# Altium PCB Jetson AGX Xavier Carrier Board.PcbDoc (part 1 of 4) (continued)
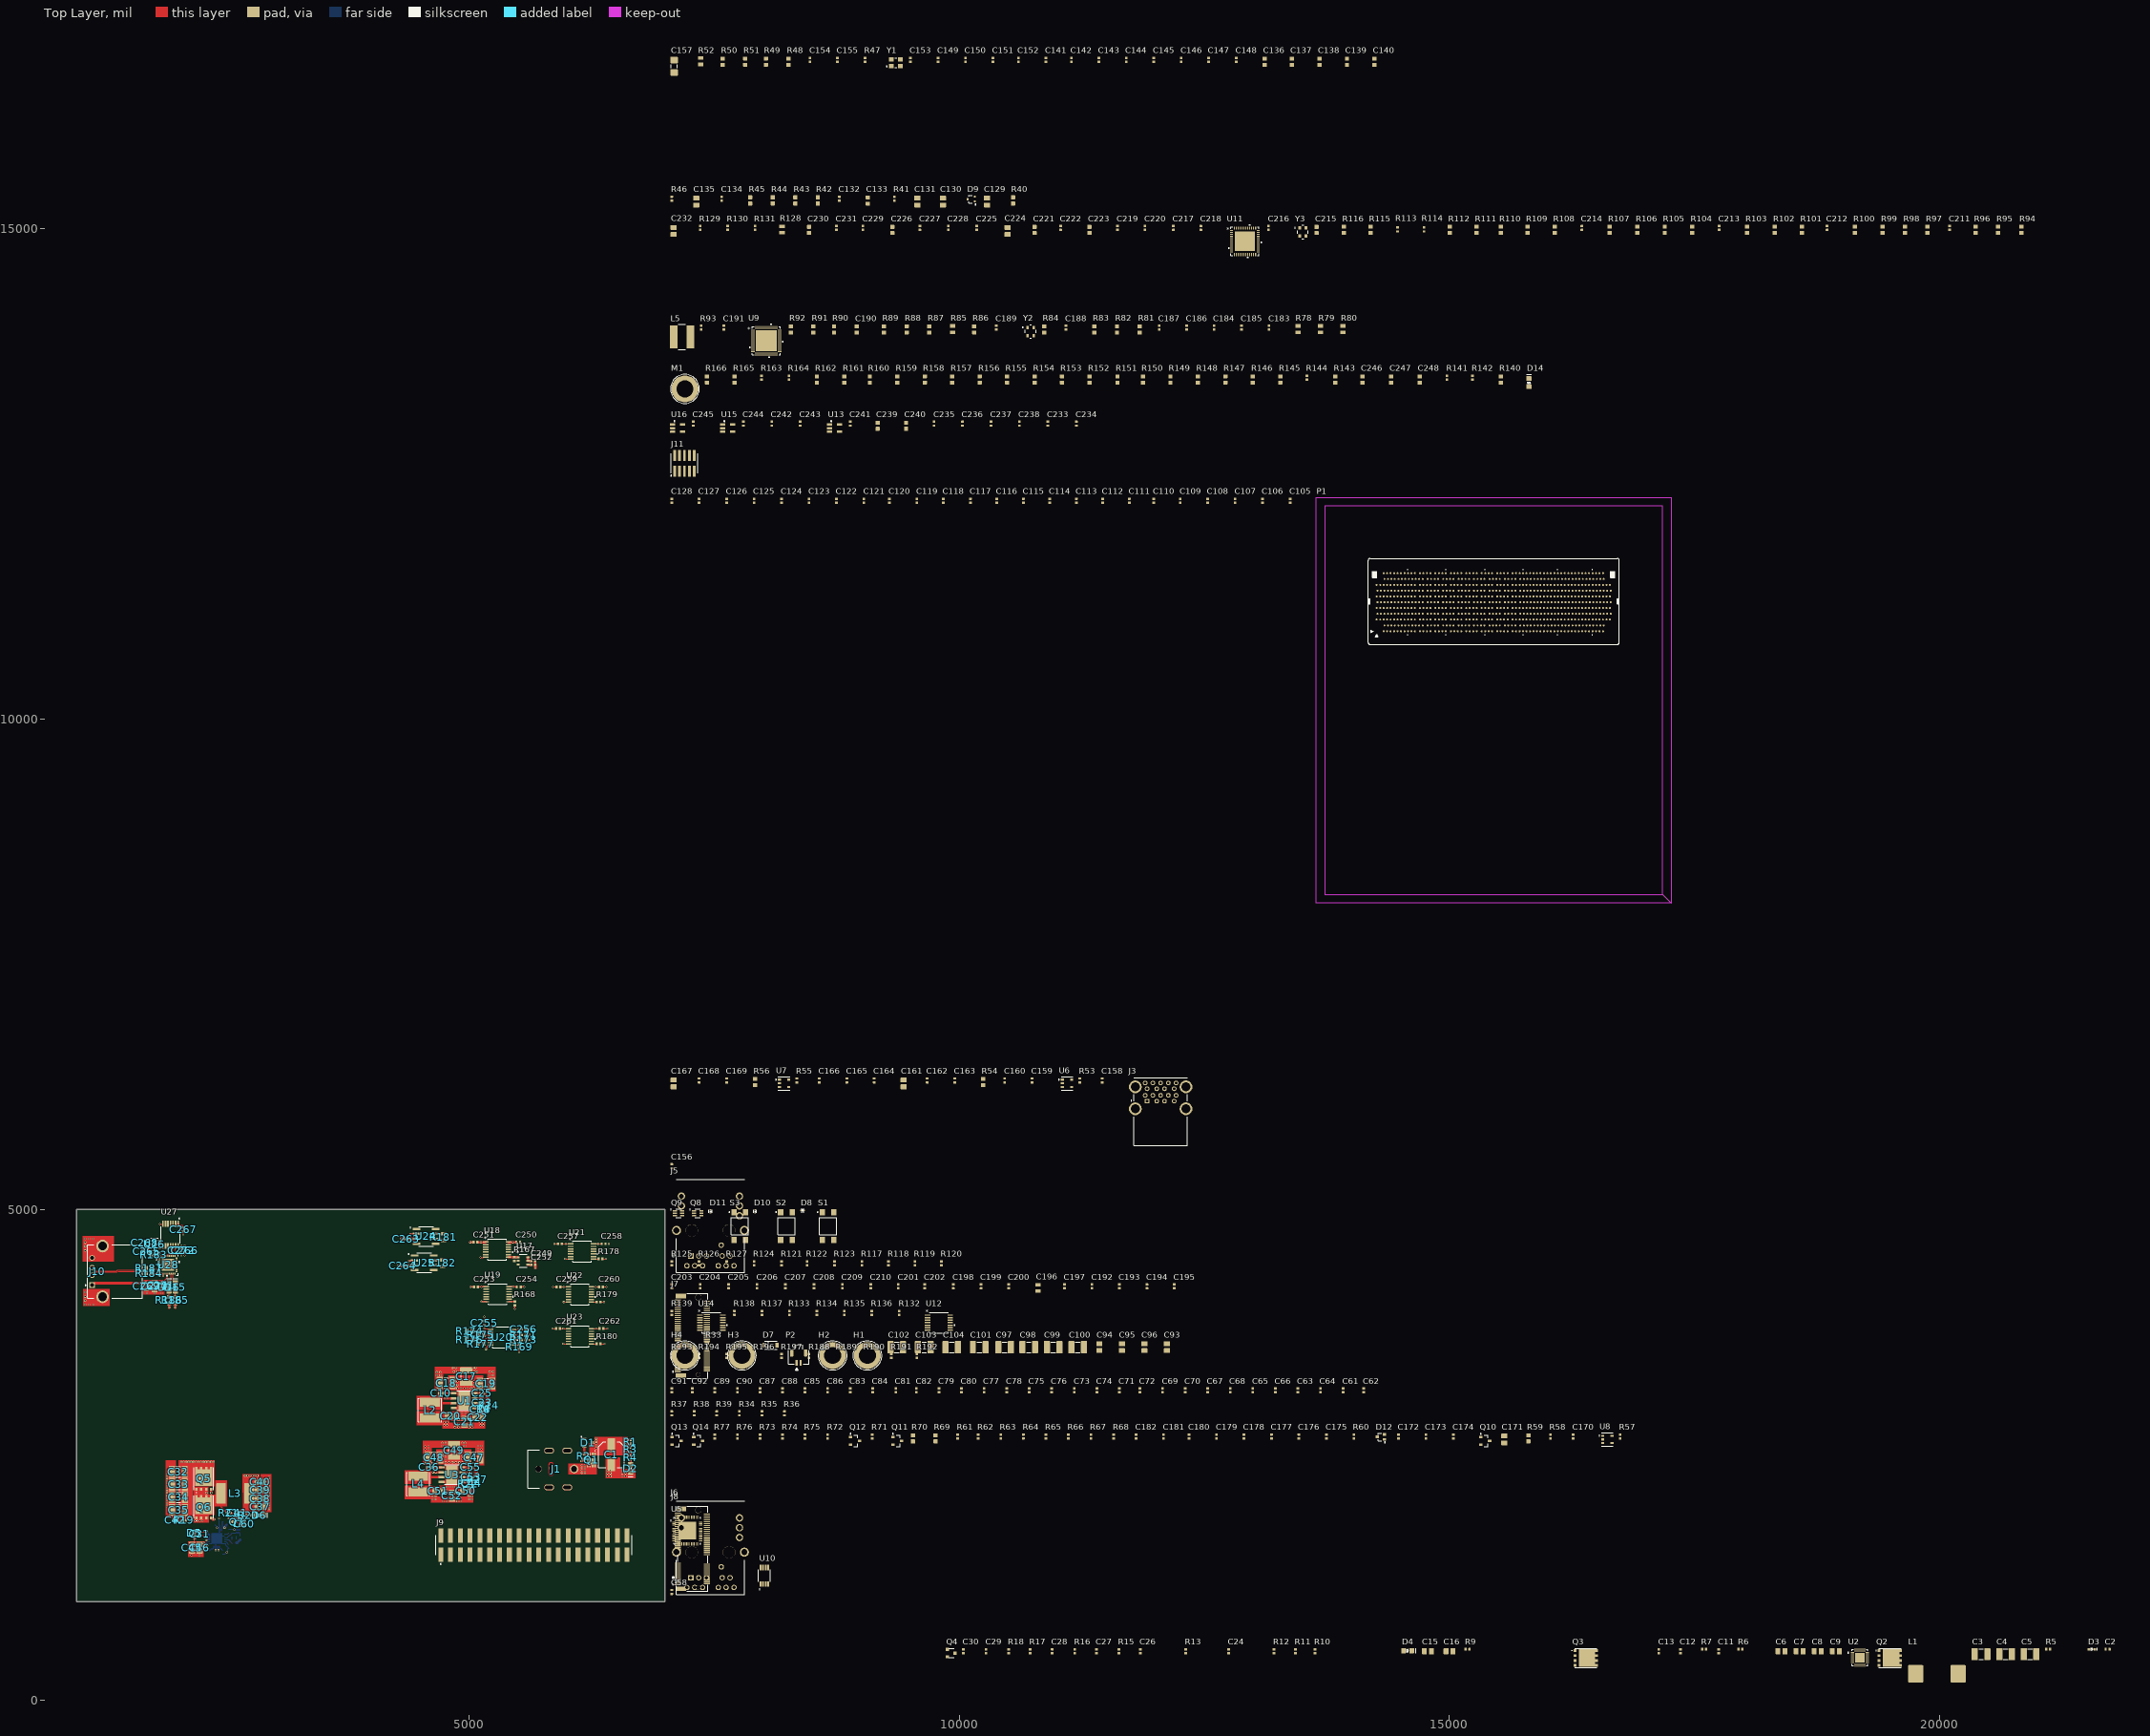
[diagram p0: Top Layer view]
## Classes and differential pairs (continued)
differential pair NV_PCIE_CTRL4.CLK: +NV_PCIE_CTRL4.CLK_P -NV_PCIE_CTRL4.CLK_N
differential pair NV_PCIE_CTRL3.CLK: +NV_PCIE_CTRL3.CLK_P -NV_PCIE_CTRL3.CLK_N
differential pair NV_PCIE_CTRL2.CLK: +NV_PCIE_CTRL2.CLK_P -NV_PCIE_CTRL2.CLK_N
differential pair NV_PCIE_CTRL1.CLK: +NV_PCIE_CTRL1.CLK_P -NV_PCIE_CTRL1.CLK_N
differential pair NV_PCIE_CTRL0.CLK: +NV_PCIE_CTRL0.CLK_P -NV_PCIE_CTRL0.CLK_N
differential pair NV_HDMI_TMDSCLK: +NV_HDMI_TMDSCLK_P -NV_HDMI_TMDSCLK_N
differential pair NV_HDMI_TMDS2: +NV_HDMI_TMDS2_P -NV_HDMI_TMDS2_N
differential pair NV_HDMI_TMDS1: +NV_HDMI_TMDS1_P -NV_HDMI_TMDS1_N
differential pair NV_HDMI_TMDS0: +NV_HDMI_TMDS0_P -NV_HDMI_TMDS0_N
differential pair NV_DP2.TX3: +NV_DP2.TX3_P -NV_DP2.TX3_N
differential pair NV_DP2.TX2: +NV_DP2.TX2_P -NV_DP2.TX2_N
differential pair NV_DP2.TX1: +NV_DP2.TX1_P -NV_DP2.TX1_N
differential pair NV_DP2.TX0: +NV_DP2.TX0_P -NV_DP2.TX0_N
differential pair NV_DP2.AUX: +NV_DP2.AUX_P -NV_DP2.AUX_N
differential pair NV_DP1.TX3: +NV_DP1.TX3_P -NV_DP1.TX3_N
differential pair NV_DP1.TX2: +NV_DP1.TX2_P -NV_DP1.TX2_N
differential pair NV_DP1.TX1: +NV_DP1.TX1_P -NV_DP1.TX1_N
differential pair NV_DP1.TX0: +NV_DP1.TX0_P -NV_DP1.TX0_N
differential pair NV_DP1.AUX: +NV_DP1.AUX_P -NV_DP1.AUX_N
differential pair NV_DP0.TX3: +NV_DP0.TX3_P -NV_DP0.TX3_N
differential pair NV_DP0.TX2: +NV_DP0.TX2_P -NV_DP0.TX2_N
differential pair NV_DP0.TX1: +NV_DP0.TX1_P -NV_DP0.TX1_N
differential pair NV_DP0.TX0: +NV_DP0.TX0_P -NV_DP0.TX0_N
differential pair NV_DP0.AUX: +NV_DP0.AUX_P -NV_DP0.AUX_N
differential pair NV_CSI7.DATA1: +NV_CSI7.DATA1_P -NV_CSI7.DATA1_N
differential pair NV_CSI7.DATA0: +NV_CSI7.DATA0_P -NV_CSI7.DATA0_N
differential pair NV_CSI7.CLK: +NV_CSI7.CLK_P -NV_CSI7.CLK_N
differential pair NV_CSI6.DATA1: +NV_CSI6.DATA1_P -NV_CSI6.DATA1_N
differential pair NV_CSI6.DATA0: +NV_CSI6.DATA0_P -NV_CSI6.DATA0_N
differential pair NV_CSI6.CLK: +NV_CSI6.CLK_P -NV_CSI6.CLK_N
differential pair NV_CSI5.DATA1: +NV_CSI5.DATA1_P -NV_CSI5.DATA1_N
differential pair NV_CSI5.DATA0: +NV_CSI5.DATA0_P -NV_CSI5.DATA0_N
differential pair NV_CSI5.CLK: +NV_CSI5.CLK_P -NV_CSI5.CLK_N
differential pair NV_CSI4.DATA1: +NV_CSI4.DATA1_P -NV_CSI4.DATA1_N
differential pair NV_CSI4.DATA0: +NV_CSI4.DATA0_P -NV_CSI4.DATA0_N
differential pair NV_CSI4.CLK: +NV_CSI4.CLK_P -NV_CSI4.CLK_N
differential pair NV_CSI3.DATA1: +NV_CSI3.DATA1_P -NV_CSI3.DATA1_N
differential pair NV_CSI3.DATA0: +NV_CSI3.DATA0_P -NV_CSI3.DATA0_N
differential pair NV_CSI3.CLK: +NV_CSI3.CLK_P -NV_CSI3.CLK_N
differential pair NV_CSI2.DATA1: +NV_CSI2.DATA1_P -NV_CSI2.DATA1_N
differential pair NV_CSI2.DATA0: +NV_CSI2.DATA0_P -NV_CSI2.DATA0_N
differential pair NV_CSI2.CLK: +NV_CSI2.CLK_P -NV_CSI2.CLK_N
differential pair NV_CSI1.DATA1: +NV_CSI1.DATA1_P -NV_CSI1.DATA1_N
differential pair NV_CSI1.DATA0: +NV_CSI1.DATA0_P -NV_CSI1.DATA0_N
differential pair NV_CSI1.CLK: +NV_CSI1.CLK_P -NV_CSI1.CLK_N
differential pair NV_CSI0.DATA1: +NV_CSI0.DATA1_P -NV_CSI0.DATA1_N
differential pair NV_CSI0.DATA0: +NV_CSI0.DATA0_P -NV_CSI0.DATA0_N
differential pair NV_CSI0.CLK: +NV_CSI0.CLK_P -NV_CSI0.CLK_N
differential pair NV1HS_CLK1.REFCLK: +NV1HS_CLK1.REFCLK_P -NV1HS_CLK1.REFCLK_N
differential pair NV1HS_CLK0.REFCLK: +NV1HS_CLK0.REFCLK_P -NV1HS_CLK0.REFCLK_N
differential pair NV1HS7_TX: +NV1HS7_TX_P -NV1HS7_TX_N
differential pair NV1HS7.TX: +NV1HS7.TX_P -NV1HS7.TX_N
differential pair NV1HS7.RX: +NV1HS7.RX_P -NV1HS7.RX_N
differential pair NV1HS6_TX: +NV1HS6_TX_P -NV1HS6_TX_N
differential pair NV1HS6.TX: +NV1HS6.TX_P -NV1HS6.TX_N
differential pair NV1HS6.RX: +NV1HS6.RX_P -NV1HS6.RX_N
differential pair NV1HS5_TX: +NV1HS5_TX_P -NV1HS5_TX_N
differential pair NV1HS5.TX: +NV1HS5.TX_P -NV1HS5.TX_N
differential pair NV1HS5.RX: +NV1HS5.RX_P -NV1HS5.RX_N
differential pair NV1HS4_TX: +NV1HS4_TX_P -NV1HS4_TX_N
differential pair NV1HS4.TX: +NV1HS4.TX_P -NV1HS4.TX_N
differential pair NV1HS4.RX: +NV1HS4.RX_P -NV1HS4.RX_N
differential pair NV1HS3_TX: +NV1HS3_TX_P -NV1HS3_TX_N
differential pair NV1HS3.TX: +NV1HS3.TX_P -NV1HS3.TX_N
differential pair NV1HS3.RX: +NV1HS3.RX_P -NV1HS3.RX_N
differential pair NV1HS2_TX: +NV1HS2_TX_P -NV1HS2_TX_N
differential pair NV1HS2.TX: +NV1HS2.TX_P -NV1HS2.TX_N
differential pair NV1HS2.RX: +NV1HS2.RX_P -NV1HS2.RX_N
differential pair NV1HS1_TX: +NV1HS1_TX_P -NV1HS1_TX_N
differential pair NV1HS1.TX: +NV1HS1.TX_P -NV1HS1.TX_N
differential pair NV1HS1.RX: +NV1HS1.RX_P -NV1HS1.RX_N
differential pair NV1HS0_TX: +NV1HS0_TX_P -NV1HS0_TX_N
differential pair NV1HS0.TX: +NV1HS0.TX_P -NV1HS0.TX_N
differential pair NV1HS0.RX: +NV1HS0.RX_P -NV1HS0.RX_N
differential pair NV0HS_CLK1.REFCLK: +NV0HS_CLK1.REFCLK_P -NV0HS_CLK1.REFCLK_N
differential pair NV0HS_CLK0.REFCLK: +NV0HS_CLK0.REFCLK_P -NV0HS_CLK0.REFCLK_N
differential pair NV0HS7_TX: +NV0HS7_TX_P -NV0HS7_TX_N
differential pair NV0HS7.TX: +NV0HS7.TX_P -NV0HS7.TX_N
differential pair NV0HS7.RX: +NV0HS7.RX_P -NV0HS7.RX_N
differential pair NV0HS6_TX: +NV0HS6_TX_P -NV0HS6_TX_N
differential pair NV0HS6.TX: +NV0HS6.TX_P -NV0HS6.TX_N
differential pair NV0HS6.RX: +NV0HS6.RX_P -NV0HS6.RX_N
differential pair NV0HS5_TX: +NV0HS5_TX_P -NV0HS5_TX_N
differential pair NV0HS5.TX: +NV0HS5.TX_P -NV0HS5.TX_N
differential pair NV0HS5.RX: +NV0HS5.RX_P -NV0HS5.RX_N
differential pair NV0HS4_TX: +NV0HS4_TX_P -NV0HS4_TX_N
differential pair NV0HS4.TX: +NV0HS4.TX_P -NV0HS4.TX_N
differential pair NV0HS4.RX: +NV0HS4.RX_P -NV0HS4.RX_N
differential pair NV0HS3_TX: +NV0HS3_TX_P -NV0HS3_TX_N
differential pair NV0HS3.TX: +NV0HS3.TX_P -NV0HS3.TX_N
differential pair NV0HS3.RX: +NV0HS3.RX_P -NV0HS3.RX_N
differential pair NV0HS2_TX: +NV0HS2_TX_P -NV0HS2_TX_N
differential pair NV0HS2.TX: +NV0HS2.TX_P -NV0HS2.TX_N
differential pair NV0HS2.RX: +NV0HS2.RX_P -NV0HS2.RX_N
differential pair NV0HS1_TX: +NV0HS1_TX_P -NV0HS1_TX_N
differential pair NV0HS1.TX: +NV0HS1.TX_P -NV0HS1.TX_N
differential pair NV0HS1.RX: +NV0HS1.RX_P -NV0HS1.RX_N
differential pair NV0HS0_TX: +NV0HS0_TX_P -NV0HS0_TX_N
differential pair NV0HS0.TX: +NV0HS0.TX_P -NV0HS0.TX_N
differential pair NV0HS0.RX: +NV0HS0.RX_P -NV0HS0.RX_N
differential pair CANB: +CANB_P -CANB_N
differential pair CANA: +CANA_P -CANA_N

## Components (designator, comment, footprint, x,y, rotation, side; value= is the part's Value field where it differs from the comment)
C1 "CAP_47uF_35V_ALUM" RADIAL_CORNELL_D 6455,2498.43 r180 top value=47µF
C2 "CAP_0.22uF_25V_X5R_0402" CAP0402 21710,515.51 r0 top
C3 "CAP_10uF_50V_1210" CAP1210 20420,465.51 r0 top value=10μF
C4 "CAP_10uF_50V_1210" CAP1210 20670,465.51 r0 top value=10μF
C5 "CAP_10uF_50V_1210" CAP1210 20920,465.51 r0 top value=10μF
C6 "CAP_10uF_16V_0805" CAP2012 18385,495.51 r0 top value=10μF
C7 "CAP_10uF_16V_0805" CAP2012 18570,495.51 r0 top value=10μF
C8 "CAP_10uF_16V_0805" CAP2012 18755,495.51 r0 top value=10μF
C9 "CAP_10uF_16V_0805" CAP2012 18940,495.51 r0 top value=10μF
C10 "CAP_0.1uF_16V_X7R_0402" CAP0402 4720.31,3125 r180 top
C11 "CAP_0.22uF_25V_X5R_0402" CAP0402 17745,495.51 r90 top
C12 "CAP_1uF_25V_0402" CAP0402 17355,495.51 r90 top
C13 "CAP_150pF_100V_NP0_0402" CAP0402 17135,495.51 r90 top
C14 "CAP_10pF_50V_0402" CAP0402 5120,2960 r270 top
C15 "CAP_10uF_16V_0805" CAP2012 14780,495.51 r0 top value=10μF
C16 "CAP_10uF_16V_0805" CAP2012 15000,495.51 r0 top value=10μF
C17 "CAP_10uF_50V_1210" CAP1210 4975,3295 r90 top value=10μF
C18 "CAP_10uF_50V_1210" CAP1210 4770,3230 r180 top value=10μF
C19 "CAP_10uF_50V_1210" CAP1210 5175,3225 r0 top value=10μF
C20 "CAP_22uF_16V_0805" CAP2012 4814.76,2895 r180 top value=22μF
C21 "CAP_22uF_16V_0805" CAP2012 4955,2835 r270 top value=22μF
C22 "CAP_22uF_16V_0805" CAP2012 5095,2880 r0 top value=22μF
C23 "CAP_1uF_25V_0402" CAP0402 5139.69,3026.97 r180 top
C24 "CAP_100pF_50V_0402" CAP0402 12750,495.51 r90 top
C25 "CAP_8.2nF_16V_0402" CAP0402 5135,3125 r180 top
C26 "CAP_0.027uF_10V_X7R_0402" CAP0402 11850,495.51 r90 top
C27 "CAP_1.2nF_50V_X7R_0402" CAP0402 11400,495.51 r90 top
C28 "CAP_0.1uF_16V_X7R_0402" CAP0402 10950,495.51 r90 top
C29 "CAP_150pF_100V_NP0_0402" CAP0402 10275,495.51 r90 top
C30 "CAP_1.2nF_50V_X7R_0402" CAP0402 10045,495.51 r90 top
C31 "CAP_0.22uF_25V_X5R_0402" CAP0402 2255,1690 r270 top
C32 "CAP_10uF_50V_1210" CAP1210 2040,2325 r0 top value=10μF
C33 "CAP_10uF_50V_1210" CAP1210 2041.02,2195 r0 top value=10μF
C34 "CAP_10uF_50V_1210" CAP1210 2041.02,2065 r0 top value=10μF
C35 "CAP_10uF_50V_1210" CAP1210 2041.02,1935 r0 top value=10μF
C36 "CAP_0.1uF_16V_X7R_0402" CAP0402 4595.31,2370 r180 top
C37 "CAP_10uF_16V_0805" CAP2012 2875,1967.44 r180 top value=10μF
C38 "CAP_10uF_16V_0805" CAP2012 2875,2052.44 r180 top value=10μF
C39 "CAP_10uF_16V_0805" CAP2012 2875,2137.44 r180 top value=10μF
C40 "CAP_10uF_16V_0805" CAP2012 2875,2222.44 r180 top value=10μF
C41 "CAP_0.22uF_25V_X5R_0402" CAP0402 2640.63,1905 r0 top
C42 "CAP_1uF_25V_0402" CAP0402 2010,1830 r0 top
C43 "CAP_180pF_50V_0402" CAP0402 2630,1620.32 r270 bottom
C44 "CAP_10pF_50V_0402" CAP0402 5030,2204.68 r270 top
C45 "CAP_10uF_16V_0805" CAP2012 2180,1549.76 r90 top value=10μF
C46 "CAP_10uF_16V_0805" CAP2012 2255,1549.76 r90 top value=10μF
C47 "CAP_10uF_50V_1210" CAP1210 5055,2470 r0 top value=10μF
C48 "CAP_10uF_50V_1210" CAP1210 4646.02,2470 r180 top value=10μF
C49 "CAP_10uF_50V_1210" CAP1210 4850,2541.02 r90 top value=10μF
C50 "CAP_22uF_16V_0805" CAP2012 4970,2130 r0 top value=22μF
C51 "CAP_22uF_16V_0805" CAP2012 4689.76,2130 r180 top value=22μF
C52 "CAP_22uF_16V_0805" CAP2012 4830,2080.24 r270 top value=22μF
C53 "CAP_1uF_25V_0402" CAP0402 5024.69,2270 r180 top
C54 "CAP_100pF_50V_0402" CAP0402 2475,1820 r180 bottom
C55 "CAP_8.2nF_16V_0402" CAP0402 5020,2370 r180 top
C56 "CAP_0.027uF_10V_X7R_0402" CAP0402 2555,1722 r270 bottom
C57 "CAP_1.2nF_50V_X7R_0402" CAP0402 2590,1615 r90 bottom
C58 "CAP_0.1uF_16V_X7R_0402" CAP0402 7070,1100 r90 top
C59 "CAP_120pF_50V_0402" CAP0402 2555,1650 r90 bottom
C60 "CAP_1.2nF_50V_X7R_0402" CAP0402 2715,1795 r270 top
C61 "CAP_0.1uF_16V_X7R_0402" CAP0402 13915,3155 r90 top
C62 "CAP_0.1uF_16V_X7R_0402" CAP0402 14125,3155 r90 top
C63 "CAP_0.1uF_16V_X7R_0402" CAP0402 13455,3155 r90 top
C64 "CAP_0.1uF_16V_X7R_0402" CAP0402 13685,3155 r90 top
C65 "CAP_0.1uF_16V_X7R_0402" CAP0402 12995,3155 r90 top
C66 "CAP_0.1uF_16V_X7R_0402" CAP0402 13225,3155 r90 top
C67 "CAP_0.1uF_16V_X7R_0402" CAP0402 12535,3155 r90 top
C68 "CAP_0.1uF_16V_X7R_0402" CAP0402 12765,3155 r90 top
C69 "CAP_0.1uF_16V_X7R_0402" CAP0402 12075,3155 r90 top
C70 "CAP_0.1uF_16V_X7R_0402" CAP0402 12305,3155 r90 top
C71 "CAP_0.1uF_16V_X7R_0402" CAP0402 11635,3155 r90 top
C72 "CAP_0.1uF_16V_X7R_0402" CAP0402 11845,3155 r90 top
C73 "CAP_0.1uF_16V_X7R_0402" CAP0402 11175,3155 r90 top
C74 "CAP_0.1uF_16V_X7R_0402" CAP0402 11405,3155 r90 top
C75 "CAP_0.1uF_16V_X7R_0402" CAP0402 10715,3155 r90 top
C76 "CAP_0.1uF_16V_X7R_0402" CAP0402 10945,3155 r90 top
C77 "CAP_0.1uF_16V_X7R_0402" CAP0402 10255,3155 r90 top
C78 "CAP_0.1uF_16V_X7R_0402" CAP0402 10485,3155 r90 top
C79 "CAP_0.1uF_16V_X7R_0402" CAP0402 9795,3155 r90 top
C80 "CAP_0.1uF_16V_X7R_0402" CAP0402 10025,3155 r90 top
C81 "CAP_0.1uF_16V_X7R_0402" CAP0402 9355,3155 r90 top
C82 "CAP_0.1uF_16V_X7R_0402" CAP0402 9565,3155 r90 top
C83 "CAP_0.1uF_16V_X7R_0402" CAP0402 8890,3155 r90 top
C84 "CAP_0.1uF_16V_X7R_0402" CAP0402 9120,3155 r90 top
C85 "CAP_0.1uF_16V_X7R_0402" CAP0402 8430,3155 r90 top
C86 "CAP_0.1uF_16V_X7R_0402" CAP0402 8660,3155 r90 top
C87 "CAP_0.1uF_16V_X7R_0402" CAP0402 7970,3155 r90 top
C88 "CAP_0.1uF_16V_X7R_0402" CAP0402 8200,3155 r90 top
C89 "CAP_0.1uF_16V_X7R_0402" CAP0402 7510,3155 r90 top
C90 "CAP_0.1uF_16V_X7R_0402" CAP0402 7740,3155 r90 top
C91 "CAP_0.1uF_16V_X7R_0402" CAP0402 7070,3155 r90 top
C92 "CAP_0.1uF_16V_X7R_0402" CAP0402 7280,3155 r90 top
C93 "CAP_10uF_16V_0805" CAP2012 12120,3595 r90 top value=10μF
C94 "CAP_10uF_16V_0805" CAP2012 11430,3595 r90 top value=10μF
C95 "CAP_10uF_16V_0805" CAP2012 11660,3595 r90 top value=10μF
C96 "CAP_10uF_16V_0805" CAP2012 11890,3595 r90 top value=10μF
C97 "CAP_10uF_50V_1210" CAP1210 10465,3595 r0 top value=10μF
C98 "CAP_10uF_50V_1210" CAP1210 10710,3595 r0 top value=10μF
C99 "CAP_10uF_50V_1210" CAP1210 10960,3595 r0 top value=10μF
C100 "CAP_10uF_50V_1210" CAP1210 11210,3595 r0 top value=10μF
C101 "CAP_10uF_50V_1210" CAP1210 10205,3595 r0 top value=10μF
C102 "CAP_10uF_50V_1210" CAP1210 9365,3595 r0 top value=10μF
C103 "CAP_10uF_50V_1210" CAP1210 9645,3595 r0 top value=10μF
C104 "CAP_10uF_50V_1210" CAP1210 9925,3595 r0 top value=10μF
C105 "CAP_0.1uF_16V_X7R_0402" CAP0402 13375,12225 r90 top
C106 "CAP_0.1uF_16V_X7R_0402" CAP0402 13095,12225 r90 top
C107 "CAP_0.1uF_16V_X7R_0402" CAP0402 12815,12225 r90 top
C108 "CAP_0.1uF_16V_X7R_0402" CAP0402 12535,12225 r90 top
C109 "CAP_0.1uF_16V_X7R_0402" CAP0402 12255,12225 r90 top
C110 "CAP_0.1uF_16V_X7R_0402" CAP0402 11985,12225 r90 top
C111 "CAP_0.1uF_16V_X7R_0402" CAP0402 11735,12225 r90 top
C112 "CAP_0.1uF_16V_X7R_0402" CAP0402 11465,12225 r90 top
C113 "CAP_0.1uF_16V_X7R_0402" CAP0402 11195,12225 r90 top
C114 "CAP_0.1uF_16V_X7R_0402" CAP0402 10925,12225 r90 top
C115 "CAP_0.1uF_16V_X7R_0402" CAP0402 10655,12225 r90 top
C116 "CAP_0.1uF_16V_X7R_0402" CAP0402 10385,12225 r90 top
C117 "CAP_0.1uF_16V_X7R_0402" CAP0402 10115,12225 r90 top
C118 "CAP_0.1uF_16V_X7R_0402" CAP0402 9840,12225 r90 top
C119 "CAP_0.1uF_16V_X7R_0402" CAP0402 9570,12225 r90 top
C120 "CAP_0.1uF_16V_X7R_0402" CAP0402 9290,12225 r90 top
C121 "CAP_0.1uF_16V_X7R_0402" CAP0402 9030,12225 r90 top
C122 "CAP_0.1uF_16V_X7R_0402" CAP0402 8750,12225 r90 top
C123 "CAP_0.1uF_16V_X7R_0402" CAP0402 8470,12225 r90 top
C124 "CAP_0.1uF_16V_X7R_0402" CAP0402 8190,12225 r90 top
C125 "CAP_0.1uF_16V_X7R_0402" CAP0402 7910,12225 r90 top
C126 "CAP_0.1uF_16V_X7R_0402" CAP0402 7630,12225 r90 top
C127 "CAP_0.1uF_16V_X7R_0402" CAP0402 7350,12225 r90 top
C128 "CAP_0.1uF_16V_X7R_0402" CAP0402 7070,12225 r90 top
C129 "CAP_1000pF_50V_0805" CAP2012 10285,15275 r90 top value=1000pF
C130 "CAP_1000pF_50V_0805" CAP2012 9835,15275 r90 top value=1000pF
C131 "CAP_1000pF_50V_0805" CAP2012 9575,15275 r90 top value=1000pF
C132 "CAP_0.1uF_16V_X7R_0402" CAP0402 8780,15305 r90 top
C133 "CAP_10uF_10V_0603" CAP0603 9070,15285 r90 top value=10μF
C134 "CAP_10pF_50V_0402" CAP0402 7580,15305 r90 top
C135 "CAP_10nF_16V_0805" CAP2012 7320,15275 r90 top value=10nF
C136 "CAP_10uF_10V_0603" CAP0603 13115,16700 r90 top value=10μF
C137 "CAP_1uF_16V_0603" CAP0603 13395,16700 r90 top value=1μF
C138 "CAP_1uF_16V_0603" CAP0603 13675,16700 r90 top value=1μF
C139 "CAP_10uF_10V_0603" CAP0603 13955,16700 r90 top value=10μF
C140 "CAP_1uF_16V_0603" CAP0603 14235,16700 r90 top value=1μF
C141 "CAP_0.1uF_16V_X7R_0402" CAP0402 10885,16720 r90 top
C142 "CAP_0.1uF_16V_X7R_0402" CAP0402 11145,16720 r90 top
C143 "CAP_0.1uF_16V_X7R_0402" CAP0402 11425,16720 r90 top
C144 "CAP_0.1uF_16V_X7R_0402" CAP0402 11705,16720 r90 top
C145 "CAP_0.1uF_16V_X7R_0402" CAP0402 11985,16720 r90 top
C146 "CAP_0.1uF_16V_X7R_0402" CAP0402 12265,16720 r90 top
C147 "CAP_0.1uF_16V_X7R_0402" CAP0402 12545,16720 r90 top
C148 "CAP_0.1uF_16V_X7R_0402" CAP0402 12825,16720 r90 top
C149 "CAP_0.1uF_16V_X7R_0402" CAP0402 9785,16720 r90 top
C150 "CAP_0.1uF_16V_X7R_0402" CAP0402 10065,16720 r90 top
C151 "CAP_0.1uF_16V_X7R_0402" CAP0402 10345,16720 r90 top
C152 "CAP_0.1uF_16V_X7R_0402" CAP0402 10605,16720 r90 top
C153 "CAP_0.1uF_16V_X7R_0402" CAP0402 9505,16720 r90 top
C154 "CAP_33pF_25V_0402" CAP0402 8480,16720 r90 top value=33pF
C155 "CAP_33pF_25V_0402" CAP0402 8760,16720 r90 top value=33pF
C156 "CAP_1UF_10V_0402_X5R" CAP0402 7070,5440 r90 top
C157 "CAP_10uF_50V_1206" CAP1206 7095,16655 r90 top value=10μF
C158 "CAP_0.1uF_16V_X7R_0402" CAP0402 11460,6315 r90 top
C159 "CAP_0.1uF_16V_X7R_0402" CAP0402 10745,6315 r90 top
C160 "CAP_0.1uF_16V_X7R_0402" CAP0402 10465,6315 r90 top
C161 "CAP_10uF_16V_0805" CAP2012 9435,6285 r90 top value=10μF
C162 "CAP_0.1uF_16V_X7R_0402" CAP0402 9675,6315 r90 top
C163 "CAP_0.1uF_16V_X7R_0402" CAP0402 9955,6315 r90 top
C164 "CAP_0.1uF_16V_X7R_0402" CAP0402 9135,6315 r90 top
C165 "CAP_0.1uF_16V_X7R_0402" CAP0402 8855,6315 r90 top
C166 "CAP_0.1uF_16V_X7R_0402" CAP0402 8575,6315 r90 top
C167 "CAP_10uF_16V_0805" CAP2012 7090,6285 r90 top value=10μF
C168 "CAP_0.1uF_16V_X7R_0402" CAP0402 7350,6315 r90 top
C169 "CAP_0.1uF_16V_X7R_0402" CAP0402 7630,6315 r90 top
C170 "CAP_0.1uF_16V_X7R_0402" CAP0402 16260,2685 r90 top
C171 "CAP_10uF_16V_0805" CAP2012 15560,2655 r90 top value=10μF
C172 "CAP_0.1uF_16V_X7R_0402" CAP0402 14480,2685 r90 top
C173 "CAP_0.1uF_16V_X7R_0402" CAP0402 14760,2685 r90 top
C174 "CAP_12pF_50V_0402" CAP0402 15040,2685 r90 top value=12pF
C175 "CAP_0.1uF_16V_X7R_0402" CAP0402 13745,2685 r90 top
C176 "CAP_0.1uF_16V_X7R_0402" CAP0402 13465,2685 r90 top
C177 "CAP_0.1uF_16V_X7R_0402" CAP0402 13185,2685 r90 top
C178 "CAP_0.1uF_16V_X7R_0402" CAP0402 12905,2685 r90 top
C179 "CAP_0.1uF_16V_X7R_0402" CAP0402 12625,2685 r90 top
C180 "CAP_0.1uF_16V_X7R_0402" CAP0402 12345,2685 r90 top
C181 "CAP_0.1uF_16V_X7R_0402" CAP0402 12085,2685 r90 top
C182 "CAP_0.1uF_16V_X7R_0402" CAP0402 11805,2685 r90 top
C183 "CAP_0.1uF_16V_X7R_0402" CAP0402 13160,13990 r90 top
C184 "CAP_0.1uF_16V_X7R_0402" CAP0402 12600,13990 r90 top
C185 "CAP_0.1uF_16V_X7R_0402" CAP0402 12880,13990 r90 top
C186 "CAP_0.1uF_16V_X7R_0402" CAP0402 12320,13990 r90 top
C187 "CAP_0.1uF_16V_X7R_0402" CAP0402 12040,13990 r90 top
C188 "CAP_0.1uF_16V_X7R_0402" CAP0402 11090,13990 r90 top
C189 "CAP_0.1uF_16V_X7R_0402" CAP0402 10380,13990 r90 top
C190 "CAP_10uF_10V_0603" CAP0603 8955,13970 r90 top value=10μF
C191 "CAP_0.1uF_16V_X7R_0402" CAP0402 7600,13990 r90 top
C192 "CAP_0.01uF_16V_X7R_0402" CAP0402 11355,4215 r90 top
C193 "CAP_0.01uF_16V_X7R_0402" CAP0402 11635,4215 r90 top
C194 "CAP_0.01uF_16V_X7R_0402" CAP0402 11915,4215 r90 top
C195 "CAP_0.01uF_16V_X7R_0402" CAP0402 12195,4215 r90 top
C196 "CAP_10UF_10V_X6S_0805" CAP0805 10805,4200 r90 top value=10μF
C197 "CAP_1UF_10V_0402_X5R" CAP0402 11075,4215 r90 top
C198 "CAP_0.01uF_16V_X7R_0402" CAP0402 9940,4215 r90 top
C199 "CAP_0.01uF_16V_X7R_0402" CAP0402 10225,4215 r90 top
C200 "CAP_0.01uF_16V_X7R_0402" CAP0402 10505,4215 r90 top
C201 "CAP_1UF_10V_0402_X5R" CAP0402 9380,4215 r90 top
C202 "CAP_0.01uF_16V_X7R_0402" CAP0402 9650,4215 r90 top
C203 "CAP_0.01uF_16V_X7R_0402" CAP0402 7070,4215 r90 top
C204 "CAP_0.01uF_16V_X7R_0402" CAP0402 7360,4215 r90 top
C205 "CAP_0.01uF_16V_X7R_0402" CAP0402 7650,4215 r90 top
C206 "CAP_0.01uF_16V_X7R_0402" CAP0402 7940,4215 r90 top
C207 "CAP_0.01uF_16V_X7R_0402" CAP0402 8230,4215 r90 top
C208 "CAP_0.01uF_16V_X7R_0402" CAP0402 8520,4215 r90 top
C209 "CAP_0.01uF_16V_X7R_0402" CAP0402 8810,4215 r90 top
C210 "CAP_0.01uF_16V_X7R_0402" CAP0402 9100,4215 r90 top
C211 "CAP_0.1uF_16V_X7R_0402" CAP0402 20100,15005 r90 top
C212 "CAP_0.1uF_16V_X7R_0402" CAP0402 18850,15005 r90 top
C213 "CAP_0.1uF_16V_X7R_0402" CAP0402 17750,15005 r90 top
C214 "CAP_0.1uF_16V_X7R_0402" CAP0402 16350,15005 r90 top
C215 "CAP_10uF_10V_0603" CAP0603 13645,14985 r90 top value=10μF
C216 "CAP_0.1uF_16V_X7R_0402" CAP0402 13155,15005 r90 top
C217 "CAP_0.1uF_16V_X7R_0402" CAP0402 12185,15005 r90 top
C218 "CAP_0.1uF_16V_X7R_0402" CAP0402 12465,15005 r90 top
C219 "CAP_0.01uF_16V_X7R_0402" CAP0402 11615,15005 r90 top
C220 "CAP_0.01uF_16V_X7R_0402" CAP0402 11895,15005 r90 top
C221 "CAP_10uF_10V_0603" CAP0603 10770,14985 r90 top value=10μF
C222 "CAP_0.1uF_16V_X7R_0402" CAP0402 11035,15005 r90 top
C223 "CAP_10uF_10V_0603" CAP0603 11330,14985 r90 top value=10μF
C224 "CAP_22uF_16V_0805" CAP2012 10495,14975 r90 top value=22μF
C225 "CAP_0.1uF_16V_X7R_0402" CAP0402 10180,15005 r90 top
C226 "CAP_10uF_10V_0603" CAP0603 9320,14985 r90 top value=10μF
C227 "CAP_0.1uF_16V_X7R_0402" CAP0402 9600,15005 r90 top
C228 "CAP_0.01uF_16V_X7R_0402" CAP0402 9890,15005 r90 top
C229 "CAP_0.1uF_16V_X7R_0402" CAP0402 9020,15005 r90 top
C230 "CAP_10uF_10V_0603" CAP0603 8470,14985 r90 top value=10μF
C231 "CAP_0.01uF_16V_X7R_0402" CAP0402 8750,15005 r90 top
C232 "CAP_22uF_16V_0805" CAP2012 7090,14975 r90 top value=22μF
C233 "CAP_0.1uF_16V_X7R_0402" CAP0402 10905,13010 r90 top
C234 "CAP_0.1uF_16V_X7R_0402" CAP0402 11195,13010 r90 top
C235 "CAP_0.1uF_16V_X7R_0402" CAP0402 9745,13010 r90 top
C236 "CAP_0.1uF_16V_X7R_0402" CAP0402 10035,13010 r90 top
C237 "CAP_0.1uF_16V_X7R_0402" CAP0402 10325,13010 r90 top
C238 "CAP_0.1uF_16V_X7R_0402" CAP0402 10615,13010 r90 top
C239 "CAP_10uF_10V_0603" CAP0603 9170,12990 r90 top value=10μF
C240 "CAP_10uF_10V_0603" CAP0603 9460,12990 r90 top value=10μF
C241 "CAP_0.1uF_16V_X7R_0402" CAP0402 8890,13010 r90 top
C242 "CAP_0.1uF_16V_X7R_0402" CAP0402 8090,13010 r90 top
C243 "CAP_0.1uF_16V_X7R_0402" CAP0402 8380,13010 r90 top
C244 "CAP_0.1uF_16V_X7R_0402" CAP0402 7800,13010 r90 top
C245 "CAP_0.1uF_16V_X7R_0402" CAP0402 7290,13010 r90 top
C246 "CAP_10uF_10V_0603" CAP0603 14115,13460 r90 top value=10μF
C247 "CAP_1uF_16V_0603" CAP0603 14405,13460 r90 top value=1μF
C248 "CAP_0.1uF_16V_0603" CAP0603 14695,13460 r90 top value=0.1μF
C249 "CAP_0.1uF_16V_X7R_0402" CAP0402 5659.69,4475 r180 top
C250 "CAP_0.1uF_10V_0402" CAP0402 5504.69,4665 r180 top value=0.1µF
C251 "CAP_0.1uF_10V_0402" CAP0402 5070.31,4665 r0 top value=0.1µF
C252 "CAP_1uF_25V_0402" CAP0402 5659.69,4435 r180 top value=1μF
C253 "CAP_0.1uF_10V_0402" CAP0402 5075,4210 r0 top value=0.1µF
C254 "CAP_0.1uF_10V_0402" CAP0402 5510,4210 r180 top value=0.1µF
C255 "CAP_0.1uF_10V_0402" CAP0402 5160,3839.68 r270 top value=0.1µF
C256 "CAP_0.1uF_10V_0402" CAP0402 5559.69,3780 r180 top value=0.1µF
C257 "CAP_0.1uF_10V_0402" CAP0402 5930,4650 r0 top value=0.1µF
C258 "CAP_0.1uF_10V_0402" CAP0402 6375.31,4650 r180 top value=0.1µF
C259 "CAP_0.1uF_10V_0402" CAP0402 5915,4210 r0 top value=0.1µF
C260 "CAP_0.1uF_10V_0402" CAP0402 6349.69,4210 r180 top value=0.1µF
C261 "CAP_0.1uF_10V_0402" CAP0402 5910.31,3785 r0 top value=0.1µF
C262 "CAP_0.1uF_10V_0402" CAP0402 6354.69,3785 r180 top value=0.1µF
C263 "CAP_0.1uF_16V_X7R_0402" CAP0402 4365.31,4700 r180 top
C264 "CAP_0.1uF_16V_X7R_0402" CAP0402 4330,4425 r180 top
C265 "CAP_0.1uF_16V_X7R_0402" CAP0402 1715.32,4570 r0 top
C266 "CAP_0.1uF_16V_X7R_0402" CAP0402 2105,4580 r90 top
C267 "CAP_0.1uF_16V_X7R_0402" CAP0402 2090,4794.69 r90 top
C268 "CAP_1uF_25V_0402" CAP0402 1700,4660 r90 top value=1μF
C269 "CAP_4.7uF_16V_0603" CAP0603 1715,4216.5 r90 top value=4.7μF
C270 "CAP_10nF_16V_0805" CAP2012 1798,4216.5 r90 top value=10nF
C271 "CAP_0.1uF_16V_X7R_0402" CAP0402 1865,4224.69 r90 top
C272 "CAP_0.1uF_16V_X7R_0402" CAP0402 2070,4580 r90 top
D1 "DIO_ZENER_27V" BZX84-C27,215 6217.8,2621.69 r90 top
D2 "DIO_LED_G" LED_0805_GREEN 6650,2358.66 r270 top
D3 "SBR0230T5-7" SOD523 21550,515.51 r0 top value=30V
D4 "DIO_LED_G" LED_0805_GREEN 14575,500.51 r0 top
D5 "SBR0230T5-7" SOD523 2205,1700 r270 top value=30V
D6 "DIO_LED_G" LED_0805_GREEN 2866.57,1882.44 r0 top
D7 "MMSZ5223BT1G" "ON SEMI SOD-123" 8080,3615 r0 top
D8 "TVS_DIODE_UNIDIR_5V" SOD-923 8405,4990 r0 top
D9 "BAT54CW-7-F" SOT323 10125,15300 r0 top
D10 "TVS_DIODE_UNIDIR_5V" SOD-923 7920,4980 r90 top
D11 "TVS_DIODE_UNIDIR_5V" SOD-923 7465,4980 r90 top
D12 "BAS70W-05-7-F" SOT323_BAS70W-05-7-F 14300,2680 r0 top
D14 "LED_GREEN" LED_0805_GREEN 15810,13430 r90 top
D15 "LED_GREEN" LED_0805_GREEN 2010,4208.66 r90 top
D16 "LED_GREEN" LED_0805_GREEN 1945,4208.66 r90 top
H1 "M3_SMT_STANDOFF_4-0MM" M3_SMT_4-0MM 9065,3510 r0 top
H2 "M3_SMT_STANDOFF_4-0MM" M3_SMT_4-0MM 8710,3510 r0 top
H3 "M3_SMT_STANDOFF_4-0MM" M3_SMT_4-0MM 7785,3510 r0 top
H4 "M3_SMT_STANDOFF_4-0MM" M3_SMT_4-0MM 7205,3510 r0 top
J1 "CON_POWER_JACK" CUI_PJ-082BH 5859.33,2352.99 r0 top
J3 "CON_USB_A_3.0_STACKED" MOLEX_0484060003 12055,6025 r0 top
J5 "J0G-0003NL" PULSE_J0G-0003NL 7465,4785 r0 top
J6 "J0G-0003NL" PULSE_J0G-0003NL 7465,1505 r0 top
J7 "2199119-4" TE_2199119-4 7340,3710 r90 top
J8 "CONN M.2 FEMALE 67POS 0.020 GOLD" TE_2199119-4 7340,1540 r90 top
J9 "TSM-120-01-S-DV-P-TR" SAMTEC_TSM-120-01-S-DV-P-TR 5665,1577.56 r180 top
J10 "USB-A 2.0 Connector" "USB-A 2.0 Connector" 1266.69,4367.2 r90 top
J11 "CON_PROGRAMMING" FTSH-105-01-F-DV-K-P-TR 7200,12605 r0 top
L1 "IND_1uH_29A" IND_BOURNS_SRP1250 19970,265.51 r0 top
L2 "IND_3.3uH_5A" IND_SRN6045TA-3R3Y 4605,2953.31 r270 top
L3 "IND_2.2uH_14.5A" IND_VISHAY_IHLP3232DZER2R2M11 2617.5,2105 r180 top
L4 "IND_3.3uH_5A" IND_SRN6045TA-3R3Y 4485,2200 r270 top
L5 "IND_3.3uH" IND_BOURNS_SRN6045 7175,13895 r0 top
M1 "M3_SMT_STANDOFF_4-0MM" M3_SMT_4-0MM 7205,13365 r0 top
P1 "MOLEX_Mirror_Mezz_NV_Xavier_8mm" 203456-0003 15455,11190 r0 top
P2 "SAMTEC_T1M-02" T1M-02-F-SV-L 8365,3485 r0 top
Q1 "PMOS_30V_70A" DMP3007SFG-7 6250,2444.76 r270 top
Q2 "NMOS_30V_60A" MOSFET_CSD19531Q5A 19490,425.51 r0 top
Q3 "NMOS_30V_60A" MOSFET_CSD19531Q5A 16390,425.51 r0 top
Q4 "MMBT4401-7-F" MMBT4401-7-F 9920,475.51 r0 top
Q5 "NMOS_30V_60A" MOSFET_CSD19531Q5A 2299.02,2254.3 r90 top
Q6 "NMOS_30V_60A" MOSFET_CSD19531Q5A 2299.02,1965.7 r90 top
Q7 "MMBT4401-7-F" MMBT4401-7-F 2635,1815 r180 top
Q8 "NMOS_30V_0.25A" SOT363 7335,4960 r0 top
Q9 "NMOS_30V_0.25A" SOT363 7140,4960 r0 top
Q10 "DMG301NU-13" SOT23-3 15365,2640 r0 top
Q11 "2N7002H-7" SOT23-3 9370,2640 r0 top
Q12 "2N7002H-7" SOT23-3 8940,2640 r0 top
Q13 "2N7002H-7" SOT23-3 7120,2640 r0 top
Q14 "2N7002H-7" SOT23-3 7340,2640 r0 top
R1 "RES_1kΩ_0402" RES0402 6650,2630 r90 top
R2 "RES_1kΩ_0402" RES0402 6175,2484.68 r90 top
R3 "RES_1kΩ_0402" RES0402 6650,2550.32 r90 top
R4 "RES_1kΩ_0402" RES0402 6650,2469.68 r90 top
R5 "RES_2.21Ω_0402_1%" RES0402 21105,515.51 r0 top value=2.21Ω
R6 "RES_1kΩ_0402" RES0402 17965,515.51 r0 top
R7 "RES_2.15kΩ_0402_1%" RES0402 17595,515.51 r0 top value=2.15kΩ
R8 "RES_32kΩ_0402_1%" RES0402 5155,2959.68 r270 top value=32kΩ
R9 "RES_20kΩ_0402_1%" RES0402 15185,515.51 r0 top value=20kΩ
R10 "RES_56.2kΩ_0402_1%" RES0402 13630,495.51 r90 top value=56.2kΩ
R11 "RES_4.53kΩ_0402_1%" RES0402 13430,495.51 r90 top value=4.53kΩ
R12 "RES_191Ω_0402_1%" RES0402 13210,495.51 r90 top value=191Ω
R13 "RES_4.53kΩ_0402_1%" RES0402 12310,495.51 r90 top value=4.53kΩ
R14 "RES_23.7kΩ_0402_1%" RES0402 5204.76,2999.76 r270 top value=23.7kΩ
R15 "RES_11kΩ_0402_1%" RES0402 11630,495.51 r90 top value=11kΩ
R16 "RES_2.87kΩ_0402_1%" RES0402 11180,495.51 r90 top value=2.87kΩ
R17 "RES_86.6kΩ_0402_1%" RES0402 10725,495.51 r90 top value=86.6kΩ
R18 "RES_2.74kΩ_0402_1%" RES0402 10505,495.51 r90 top value=2.74kΩ
R19 "RES_2.21Ω_0402_1%" RES0402 2094.68,1830 r0 top value=2.21Ω
R20 "RES_1kΩ_0402" RES0402 2755.55,1882.44 r180 top
R21 "RES_845Ω_0402_1%" RES0402 2555.32,1905 r0 top value=845Ω
R22 "RES_13.7kΩ_0402_1%" RES0402 4995,2204.37 r270 top value=13.7kΩ
R23 "RES_20kΩ_0402_1%" RES0402 2670,1650 r270 bottom value=20kΩ
R24 "RES_56.2kΩ_0402_1%" RES0402 2340,1520 r0 bottom value=56.2kΩ
R25 "RES_7.87kΩ_0402_1%" RES0402 2435,1785 r180 bottom value=7.87kΩ
R26 "RES_124Ω_0402_1%" RES0402 2630,1684.68 r270 bottom value=124Ω
R27 "RES_24kΩ_0402_1%" RES0402 5090,2245 r270 top value=24kΩ
R28 "RES_7.87kΩ_0402_1%" RES0402 2510,1785 r0 bottom value=7.87kΩ
R29 "RES_11kΩ_0402_1%" RES0402 2555,1565 r90 bottom value=11kΩ
R30 "RES_3.48kΩ_0402_1%" RES0402 2590,1679.68 r90 bottom value=3.48kΩ
R31 "RES_86.6kΩ_0402_1%" RES0402 2490,1505 r90 bottom value=86.6kΩ
R32 "RES_4.42kΩ_0402_1%" RES0402 2670,1714.68 r270 bottom value=4.42kΩ
R33 "RES_0Ω_0603" RES0603 7430,3575 r90 top value=0Ω
R34 "RES_10kΩ_0402_1%" RES0402 7760,2920 r90 top
R35 "RES_10kΩ_0402_1%" RES0402 7990,2920 r90 top
R36 "RES_10kΩ_0402_1%" RES0402 8220,2920 r90 top
R37 "RES_10kΩ_0402_1%" RES0402 7070,2920 r90 top
R38 "RES_10kΩ_0402_1%" RES0402 7300,2920 r90 top
R39 "RES_10kΩ_0402_1%" RES0402 7530,2920 r90 top
R40 "RES_4.7kΩ_0603" RES0603 10550,15255 r90 top value=4.7kΩ
R41 "RES_100kΩ_0402_5%" RES0402 9340,15305 r90 top value=100kΩ
R42 "RES_10kΩ_0603_5%" RES0603 8560,15255 r90 top value=10kΩ
R43 "RES_100Ω_0603" RES0603 8330,15255 r90 top value=100Ω
R44 "RES_4.7kΩ_0603" RES0603 8100,15255 r90 top value=4.7kΩ
R45 "RES_0Ω_0603" RES0603 7870,15255 r90 top value=0Ω
R46 "RES_100kΩ_0402_5%" RES0402 7070,15305 r90 top value=100kΩ
R47 "RES_10kΩ_0402_1%" RES0402 9040,16720 r90 top
R48 "RES_0Ω_0603" RES0603 8260,16670 r90 top value=0Ω
R49 "RES_12kΩ_0603" RES0603 8030,16670 r90 top value=12kΩ
R50 "RES_200kΩ_0603_5%" RES0603 7590,16670 r90 top value=200kΩ
R51 "RES_200kΩ_0603_5%" RES0603 7820,16670 r90 top value=200kΩ
R52 "RES_10MΩ_0805" RES0805 7365,16705 r90 top value=10MΩ
R53 "RES_10kΩ_0402_1%" RES0402 11230,6315 r90 top value=10kΩ
R54 "RES_0Ω_0603" RES0603 10245,6265 r90 top value=0Ω
R55 "RES_10kΩ_0402_1%" RES0402 8345,6315 r90 top value=10kΩ
R56 "RES_0Ω_0603" RES0603 7920,6265 r90 top value=0Ω
R57 "RES_162kΩ_0402_1%" RES0402 16740,2685 r90 top value=162kΩ
R58 "RES_10kΩ_0402_1%" RES0402 16030,2685 r90 top value=10kΩ
R59 "RES_0Ω_0603" RES0603 15805,2635 r90 top value=0Ω
R60 "RES_32.4kΩ_0402_1%" RES0402 14025,2685 r90 top value=32.4kΩ
R61 "RES_499Ω_0402_1%" RES0402 9985,2685 r90 top value=499Ω
R62 "RES_499Ω_0402_1%" RES0402 10195,2685 r90 top value=499Ω
R63 "RES_499Ω_0402_1%" RES0402 10425,2685 r90 top value=499Ω
R64 "RES_499Ω_0402_1%" RES0402 10655,2685 r90 top value=499Ω
R65 "RES_499Ω_0402_1%" RES0402 10885,2685 r90 top value=499Ω
R66 "RES_499Ω_0402_1%" RES0402 11115,2685 r90 top value=499Ω
R67 "RES_499Ω_0402_1%" RES0402 11345,2685 r90 top value=499Ω
R68 "RES_499Ω_0402_1%" RES0402 11575,2685 r90 top value=499Ω
R69 "RES_0Ω_0603" RES0603 9760,2635 r90 top value=0Ω
R70 "RES_0Ω_0603" RES0603 9530,2635 r90 top value=0Ω
R71 "RES_10kΩ_0402_1%" RES0402 9115,2685 r90 top value=10kΩ
R72 "RES_2.2kΩ_0402_5%" RES0402 8660,2685 r90 top value=2.2kΩ
R73 "RES_10kΩ_0402_1%" RES0402 7970,2685 r90 top value=10kΩ
R74 "RES_2.2kΩ_0402_5%" RES0402 8200,2685 r90 top value=2.2kΩ
R75 "RES_10kΩ_0402_1%" RES0402 8430,2685 r90 top value=10kΩ
R76 "RES_100kΩ_0402_5%" RES0402 7740,2685 r90 top value=100kΩ
R77 "RES_100kΩ_0402_5%" RES0402 7510,2685 r90 top value=100kΩ
R78 "RES_10kΩ_0402" RES0805 13455,13975 r90 top
R79 "RES_10kΩ_0402" RES0805 13685,13975 r90 top
R80 "RES_10kΩ_0402" RES0805 13915,13975 r90 top
R81 "RES_0Ω_0603" RES0603 11840,13940 r90 top value=0Ω
R82 "RES_0Ω_0603" RES0603 11610,13940 r90 top value=0Ω
R83 "RES_0Ω_0603" RES0603 11380,13940 r90 top value=0Ω
R84 "RES_0Ω_0603" RES0603 10870,13940 r90 top value=0Ω
R85 "RES_10kΩ_0402" RES0805 9935,13975 r90 top
R86 "RES_220Ω_0603" RES0603 10155,13940 r90 top value=220Ω
R87 "RES_10MΩ_0603" RES0603 9695,13940 r90 top value=10MΩ
R88 "RES_0Ω_0603" RES0603 9465,13940 r90 top value=0Ω
R89 "RES_220Ω_0603" RES0603 9235,13940 r90 top value=220Ω
R90 "RES_6.04kΩ_0603_1%" RES0603 8725,13940 r90 top value=6.04kΩ
R91 "RES_0Ω_0603" RES0603 8515,13940 r90 top value=0Ω
R92 "RES_6.04kΩ_0603_1%" RES0603 8285,13940 r90 top value=6.04kΩ
R93 "RES_1kΩ_0402_1%" RES0402 7370,13990 r90 top value=1kΩ
R94 "RES_2.2kΩ_0603_1%" RES0603 20830,14955 r90 top value=2.2kΩ
R95 "RES_0Ω_0603" RES0603 20595,14955 r90 top value=0Ω
R96 "RES_0Ω_0603" RES0603 20365,14955 r90 top value=0Ω
R97 "RES_0Ω_0603" RES0603 19875,14955 r90 top value=0Ω
R98 "RES_0Ω_0603" RES0603 19645,14955 r90 top value=0Ω
R99 "RES_0Ω_0603" RES0603 19415,14955 r90 top value=0Ω
R100 "RES_0Ω_0603" RES0603 19135,14955 r90 top value=0Ω
R101 "RES_0Ω_0603" RES0603 18595,14955 r90 top value=0Ω
R102 "RES_0Ω_0603" RES0603 18315,14955 r90 top value=0Ω
R103 "RES_0Ω_0603" RES0603 18035,14955 r90 top value=0Ω
R104 "RES_0Ω_0603" RES0603 17475,14955 r90 top value=0Ω
R105 "RES_0Ω_0603" RES0603 17195,14955 r90 top value=0Ω
R106 "RES_0Ω_0603" RES0603 16915,14955 r90 top value=0Ω
R107 "RES_0Ω_0603" RES0603 16635,14955 r90 top value=0Ω
R108 "RES_0Ω_0603" RES0603 16075,14955 r90 top value=0Ω
R109 "RES_0Ω_0603" RES0603 15795,14955 r90 top value=0Ω